# Altium PCB PCB1.PcbDoc (part 1 of 4)
Units mm, origin at the board's own origin, x right, y up, seen from the top; angles counter-clockwise.
Board outline 330.2 x 176.28 mm, 2 copper layers (Top Layer, Bottom Layer); 535 components, 753 nets, 2972 pads, 0 vias.
Unrouted connection lines stored in the file: 384.
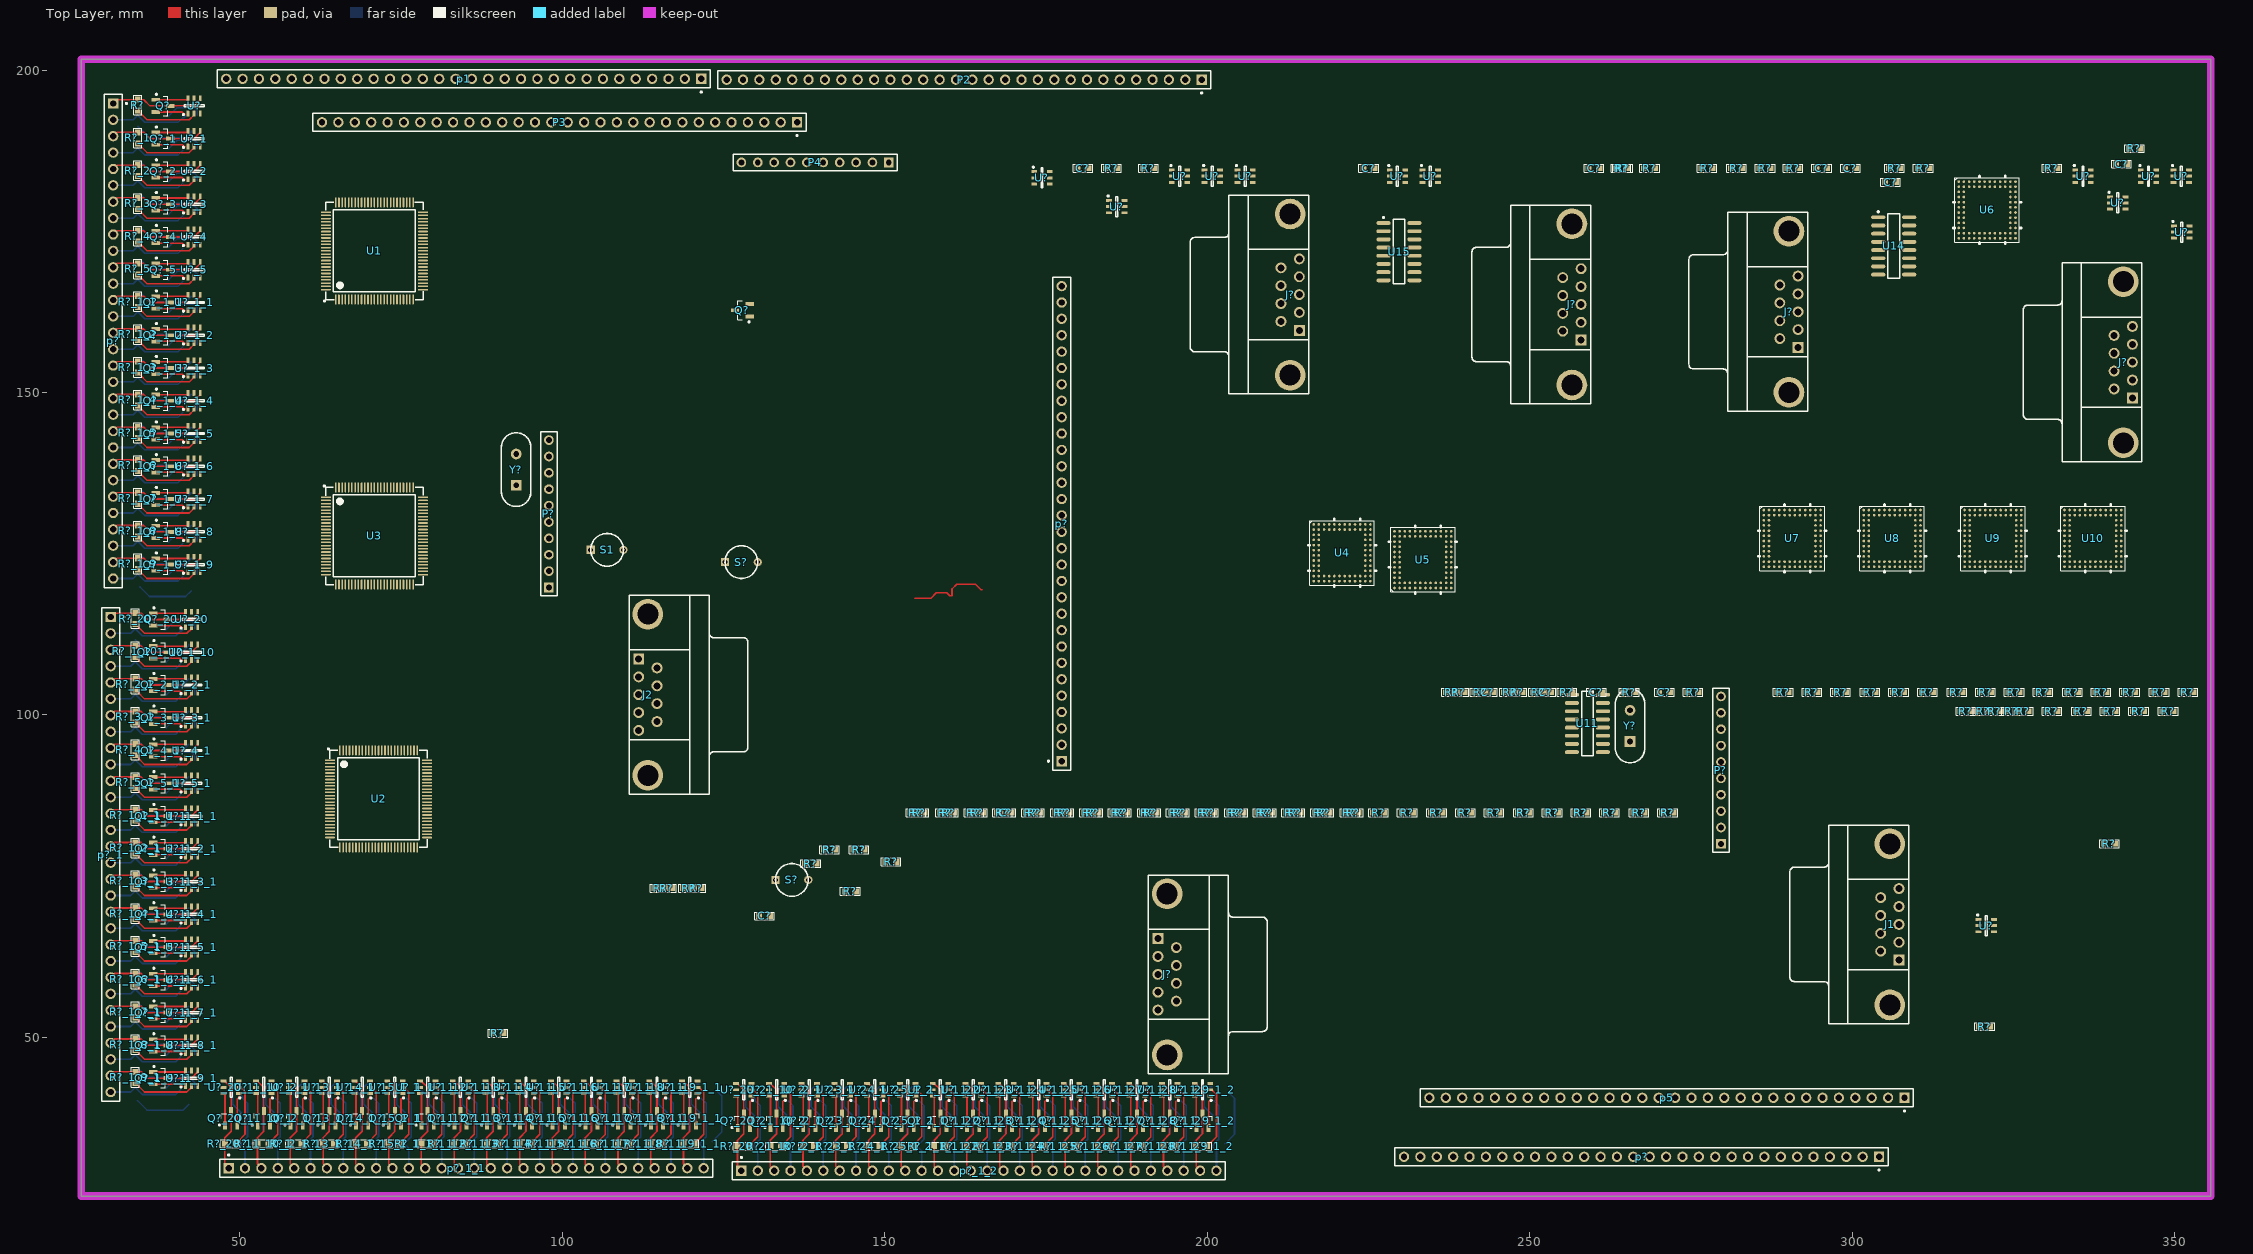
[diagram p0: Top Layer view]
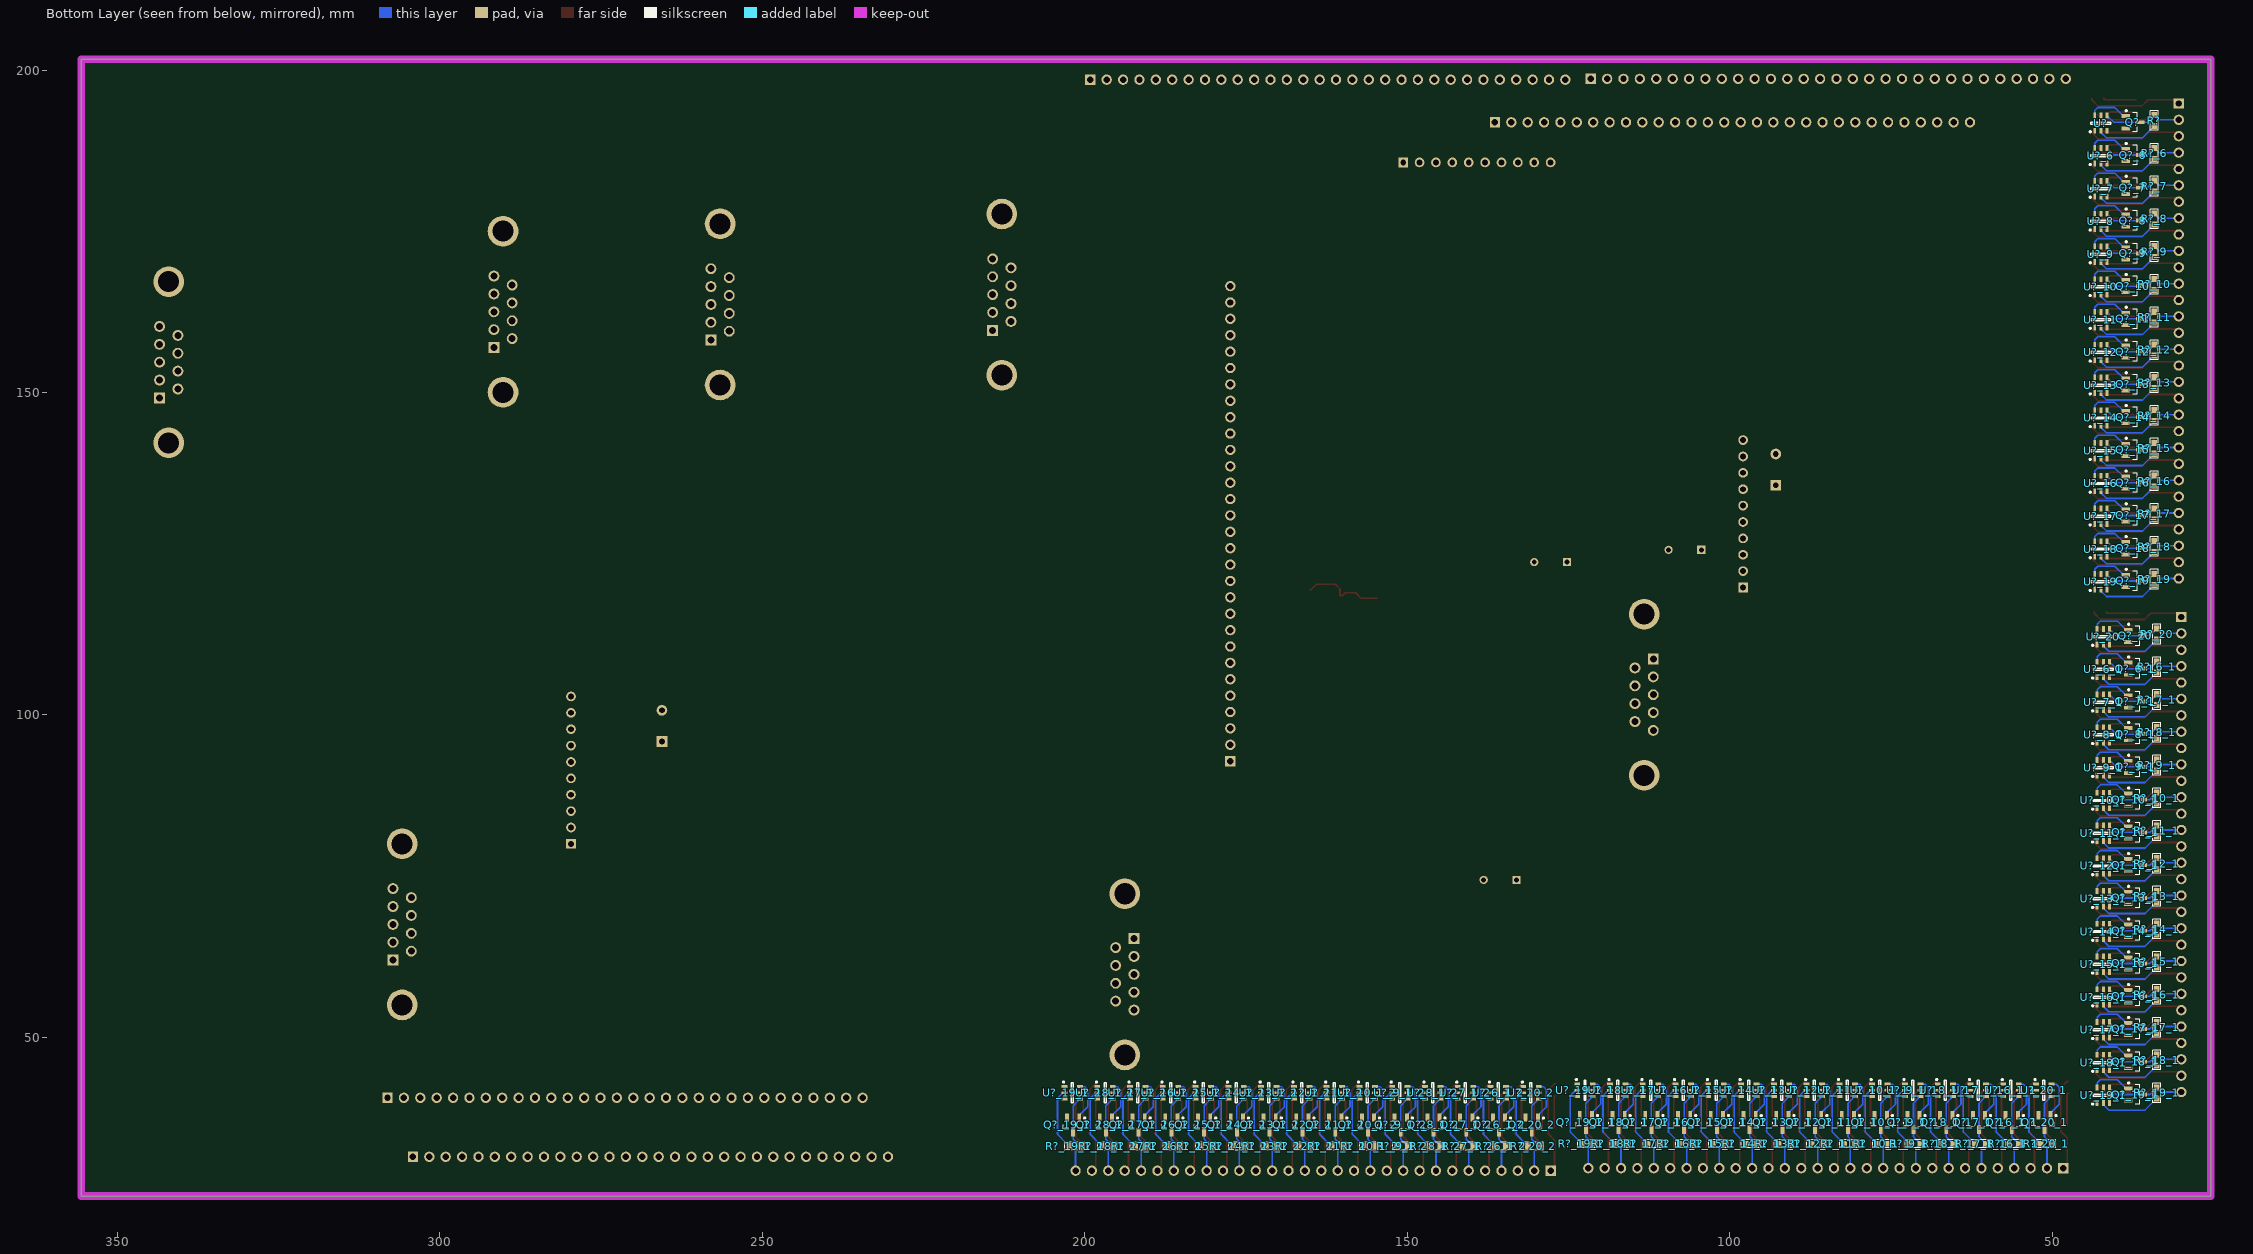
[diagram p1: Bottom Layer view, seen from below]

## Layer stack, top to bottom
Top Solder: solder mask 0.0102, Solder Resist, Dk 3.5
Top Layer: signal copper 0.0356
Dielectric 1: dielectric 0.32, FR-4, Dk 4.8
Bottom Layer: signal copper 0.0356
Bottom Solder: solder mask 0.0102, Solder Resist, Dk 3.5

## Board outline
25.4,25.4 25.4,201.676 355.6,201.676 355.6,25.4

## Design rules (kind name [scope] priority, off if disabled: settings)
Clearance [All] p1: gap=0.254 ignorepadtopadclearanceinfootprint=TRUE except(0: Arc-Hole Track-Hole SMDPad-Hole THPad-Hole Via-Hole Fill-Hole Poly-Hole Region-Hole Text-Hole; 0.076: Arc-Arc Arc-Track Arc-SMDPad Arc-THPad Arc-Text Track-Track Track-SMDPad Track-THPad Track-Text SMDPad-SMDPad SMDPad-THPad SMDPad-Text THPad-THPad THPad-Text Text-Text)
DiffPairsRouting [All] p1: maxlimit=0.254 minlimit=0.254 mostfreqgap=0.254 toplayer_minwidth=0.381 toplayer_maxwidth=0.381 toplayer_prefwidth=0.381 bottomlayer_minwidth=0.381 bottomlayer_maxwidth=0.381 bottomlayer_prefwidth=0.381 maxuncoupledlength=12.7
PolygonConnect [All] p1: connectstyle=Relief reliefconductorwidth=0.254 reliefentries=4 polygonreliefangle="90 Angle" airgapwidth=0.254
RoutingVias [All] p1: holewidth=0.711 width=1.27 viastyle="Through Hole" minholewidth=0.711 minwidth=1.27 maxholewidth=0.711 maxwidth=1.27
SolderMaskExpansion [All] p1: expansion=0.102 istentingtop=FALSE
Width [All] p1: maxlimit=0.254 minlimit=0.254 preferedwidth=0.254
29 further rules are at their usual default settings.

## Classes and differential pairs
differential pair class XAD0-AD0_N: XAD0-AD0
differential pair class D1_P: D2
differential pair class D1_N: D2
component class schematic1: J1 J2 p1 P2 P3 P4 p5 S1 S? U1 U2 U3 U4 U5 U6 U7 U8 U9 U10 U11 U14 U15 Y?
differential pair D4: +D4_P -D4_N
differential pair D3: +D3_P -D3_N
differential pair D2: +D2_P -D2_N
differential pair D1: +D1_P -D1_N

## Components (designator, comment, footprint, x,y, rotation, side; value= is the part's Value field where it differs from the comment)
C? "100nF" 0603-Cap 270.891,103.505 r0 top
C? "100nF" 0603-Cap 260.35,103.505 r0 top
C? "100nF" 0603-Cap 252.476,103.505 r0 top
C? "100nF" 0603-Cap 259.969,184.785 r0 top
C? "100nF" 0603-Cap 225.044,184.785 r0 top
C? "100nF" 0603-Cap 180.721,184.785 r0 top
C? "100nF" 0603-Cap 295.275,184.785 r0 top
C? "100nF" 0603-Cap 299.72,184.785 r0 top
C? "100nF" 0603-Cap 131.356,68.834 r0 top
C? "100nF" 0603-Cap 305.943,182.626 r0 top
C? "100nF" 0603-Cap 341.757,185.42 r0 top
C? "100nF" 0603-Cap 168.783,84.836 r180 top
C? "100nF" 0603-Cap 243.459,103.505 r0 top
J1 "D Connector 9" DSUB1.385-2H9 296.339,67.528 r90 top
J2 "D Connector 9" DSUB1.385-2H9 122.761,103.136 r270 top
J? "D Connector 9" DSUB1.385-2H9 332.534,154.698 r90 top
J? "D Connector 9" DSUB1.385-2H9 280.695,162.511 r90 top
J? "D Connector 9" DSUB1.385-2H9 247.04,163.654 r90 top
J? "D Connector 9" DSUB1.385-2H9 203.352,165.178 r90 top
J? "D Connector 9" DSUB1.385-2H9 203.279,59.781 r270 top
p1 "Header 30" HDR1X30 121.539,198.628 r180 top
P2 "Header 30" HDR1X30 199.136,198.501 r180 top
P3 "Header 30" HDR1X30 136.398,191.897 r180 top
P4 "Header 10" HDR1X10 150.622,185.674 r180 top
p5 "Header 30" HDR1X30 308.102,40.64 r180 top
p? "Header 30" HDR1X30 304.165,31.496 r180 top
P? "Header 10" HDR1X10 279.654,80.01 r90 top
P? "Header 10" HDR1X10 97.917,119.761 r90 top
p? "Header 30" HDR1X30 177.419,92.837 r90 top
p? "Header 30" HDR1X30 30.353,194.818 r270 top
p?_1 "Header 30" HDR1X30 29.972,115.189 r270 top (schematic designator p?)
p?_1_1 "Header 30" HDR1X30 48.26,29.718 r0 top (schematic designator p?)
p?_1_2 "Header 30" HDR1X30 127.762,29.337 r0 top (schematic designator p?)
Q? "MOSFET-N" SOT23 37.465,191.897 r180 bottom
Q? "MOSFET-N" SOT23 127.906,162.753 r180 top
Q? "MOSFET-N" SOT23 38.1,194.437 r0 top
Q?_1 "MOSFET-N" SOT23 38.1,189.357 r0 top (schematic designator Q?)
Q?_1_1 "MOSFET-N" SOT23 38.1,163.957 r0 top (schematic designator Q?)
Q?_1_1_1 "MOSFET-N" SOT23 37.719,84.328 r0 top (schematic designator Q?)
Q?_1_1_1_1 "MOSFET-N" SOT23 79.121,37.465 r90 top (schematic designator Q?)
Q?_1_1_1_2 "MOSFET-N" SOT23 158.623,37.084 r90 top (schematic designator Q?)
Q?_1_2 "MOSFET-N" SOT23 38.1,158.877 r0 top (schematic designator Q?)
Q?_1_2_1 "MOSFET-N" SOT23 37.719,79.248 r0 top (schematic designator Q?)
Q?_1_2_1_1 "MOSFET-N" SOT23 84.201,37.465 r90 top (schematic designator Q?)
Q?_1_2_1_2 "MOSFET-N" SOT23 163.703,37.084 r90 top (schematic designator Q?)
Q?_1_3 "MOSFET-N" SOT23 38.1,153.797 r0 top (schematic designator Q?)
Q?_1_3_1 "MOSFET-N" SOT23 37.719,74.168 r0 top (schematic designator Q?)
Q?_1_3_1_1 "MOSFET-N" SOT23 89.281,37.465 r90 top (schematic designator Q?)
Q?_1_3_1_2 "MOSFET-N" SOT23 168.783,37.084 r90 top (schematic designator Q?)
Q?_1_4 "MOSFET-N" SOT23 38.1,148.717 r0 top (schematic designator Q?)
Q?_1_4_1 "MOSFET-N" SOT23 37.719,69.088 r0 top (schematic designator Q?)
Q?_1_4_1_1 "MOSFET-N" SOT23 94.361,37.465 r90 top (schematic designator Q?)
Q?_1_4_1_2 "MOSFET-N" SOT23 173.863,37.084 r90 top (schematic designator Q?)
Q?_1_5 "MOSFET-N" SOT23 38.1,143.637 r0 top (schematic designator Q?)
Q?_1_5_1 "MOSFET-N" SOT23 37.719,64.008 r0 top (schematic designator Q?)
Q?_1_5_1_1 "MOSFET-N" SOT23 99.441,37.465 r90 top (schematic designator Q?)
Q?_1_5_1_2 "MOSFET-N" SOT23 178.943,37.084 r90 top (schematic designator Q?)
Q?_1_6 "MOSFET-N" SOT23 38.1,138.557 r0 top (schematic designator Q?)
Q?_1_6_1 "MOSFET-N" SOT23 37.719,58.928 r0 top (schematic designator Q?)
Q?_1_6_1_1 "MOSFET-N" SOT23 104.521,37.465 r90 top (schematic designator Q?)
Q?_1_6_1_2 "MOSFET-N" SOT23 184.023,37.084 r90 top (schematic designator Q?)
Q?_1_7 "MOSFET-N" SOT23 38.1,133.477 r0 top (schematic designator Q?)
Q?_1_7_1 "MOSFET-N" SOT23 37.719,53.848 r0 top (schematic designator Q?)
Q?_1_7_1_1 "MOSFET-N" SOT23 109.601,37.465 r90 top (schematic designator Q?)
Q?_1_7_1_2 "MOSFET-N" SOT23 189.103,37.084 r90 top (schematic designator Q?)
Q?_1_8 "MOSFET-N" SOT23 38.1,128.397 r0 top (schematic designator Q?)
Q?_1_8_1 "MOSFET-N" SOT23 37.719,48.768 r0 top (schematic designator Q?)
Q?_1_8_1_1 "MOSFET-N" SOT23 114.681,37.465 r90 top (schematic designator Q?)
Q?_1_8_1_2 "MOSFET-N" SOT23 194.183,37.084 r90 top (schematic designator Q?)
Q?_1_9 "MOSFET-N" SOT23 38.1,123.317 r0 top (schematic designator Q?)
Q?_1_9_1 "MOSFET-N" SOT23 37.719,43.688 r0 top (schematic designator Q?)
Q?_1_9_1_1 "MOSFET-N" SOT23 119.761,37.465 r90 top (schematic designator Q?)
Q?_1_9_1_2 "MOSFET-N" SOT23 199.263,37.084 r90 top (schematic designator Q?)
Q?_1_10 "MOSFET-N" SOT23 37.719,109.728 r0 top (schematic designator Q?)
Q?_1_10_1 "MOSFET-N" SOT23 53.721,37.465 r90 top (schematic designator Q?)
Q?_1_10_2 "MOSFET-N" SOT23 133.223,37.084 r90 top (schematic designator Q?)
Q?_2 "MOSFET-N" SOT23 38.1,184.277 r0 top (schematic designator Q?)
Q?_2_1 "MOSFET-N" SOT23 37.719,104.648 r0 top (schematic designator Q?)
Q?_2_1_1 "MOSFET-N" SOT23 58.801,37.465 r90 top (schematic designator Q?)
Q?_2_1_2 "MOSFET-N" SOT23 138.303,37.084 r90 top (schematic designator Q?)
Q?_3 "MOSFET-N" SOT23 38.1,179.197 r0 top (schematic designator Q?)
Q?_3_1 "MOSFET-N" SOT23 37.719,99.568 r0 top (schematic designator Q?)
Q?_3_1_1 "MOSFET-N" SOT23 63.881,37.465 r90 top (schematic designator Q?)
Q?_3_1_2 "MOSFET-N" SOT23 143.383,37.084 r90 top (schematic designator Q?)
Q?_4 "MOSFET-N" SOT23 38.1,174.117 r0 top (schematic designator Q?)
Q?_4_1 "MOSFET-N" SOT23 37.719,94.488 r0 top (schematic designator Q?)
Q?_4_1_1 "MOSFET-N" SOT23 68.961,37.465 r90 top (schematic designator Q?)
Q?_4_1_2 "MOSFET-N" SOT23 148.463,37.084 r90 top (schematic designator Q?)
Q?_5 "MOSFET-N" SOT23 38.1,169.037 r0 top (schematic designator Q?)
Q?_5_1 "MOSFET-N" SOT23 37.719,89.408 r0 top (schematic designator Q?)
Q?_5_1_1 "MOSFET-N" SOT23 74.041,37.465 r90 top (schematic designator Q?)
Q?_5_1_2 "MOSFET-N" SOT23 153.543,37.084 r90 top (schematic designator Q?)
Q?_6 "MOSFET-N" SOT23 37.465,186.817 r180 bottom (schematic designator Q?)
Q?_6_1 "MOSFET-N" SOT23 37.084,107.188 r180 bottom (schematic designator Q?)
Q?_6_1_1 "MOSFET-N" SOT23 56.261,36.83 r270 bottom (schematic designator Q?)
Q?_6_1_2 "MOSFET-N" SOT23 135.763,36.449 r270 bottom (schematic designator Q?)
Q?_7 "MOSFET-N" SOT23 37.465,181.737 r180 bottom (schematic designator Q?)
Q?_7_1 "MOSFET-N" SOT23 37.084,102.108 r180 bottom (schematic designator Q?)
Q?_7_1_1 "MOSFET-N" SOT23 61.341,36.83 r270 bottom (schematic designator Q?)
Q?_7_1_2 "MOSFET-N" SOT23 140.843,36.449 r270 bottom (schematic designator Q?)
Q?_8 "MOSFET-N" SOT23 37.465,176.657 r180 bottom (schematic designator Q?)
Q?_8_1 "MOSFET-N" SOT23 37.084,97.028 r180 bottom (schematic designator Q?)
Q?_8_1_1 "MOSFET-N" SOT23 66.421,36.83 r270 bottom (schematic designator Q?)
Q?_8_1_2 "MOSFET-N" SOT23 145.923,36.449 r270 bottom (schematic designator Q?)
Q?_9 "MOSFET-N" SOT23 37.465,171.577 r180 bottom (schematic designator Q?)
Q?_9_1 "MOSFET-N" SOT23 37.084,91.948 r180 bottom (schematic designator Q?)
Q?_9_1_1 "MOSFET-N" SOT23 71.501,36.83 r270 bottom (schematic designator Q?)
Q?_9_1_2 "MOSFET-N" SOT23 151.003,36.449 r270 bottom (schematic designator Q?)
Q?_10 "MOSFET-N" SOT23 37.465,166.497 r180 bottom (schematic designator Q?)
Q?_10_1 "MOSFET-N" SOT23 37.084,86.868 r180 bottom (schematic designator Q?)
Q?_10_1_1 "MOSFET-N" SOT23 76.581,36.83 r270 bottom (schematic designator Q?)
Q?_10_1_2 "MOSFET-N" SOT23 156.083,36.449 r270 bottom (schematic designator Q?)
Q?_11 "MOSFET-N" SOT23 37.465,161.417 r180 bottom (schematic designator Q?)
Q?_11_1 "MOSFET-N" SOT23 37.084,81.788 r180 bottom (schematic designator Q?)
Q?_11_1_1 "MOSFET-N" SOT23 81.661,36.83 r270 bottom (schematic designator Q?)
Q?_11_1_2 "MOSFET-N" SOT23 161.163,36.449 r270 bottom (schematic designator Q?)
Q?_12 "MOSFET-N" SOT23 37.465,156.337 r180 bottom (schematic designator Q?)
Q?_12_1 "MOSFET-N" SOT23 37.084,76.708 r180 bottom (schematic designator Q?)
Q?_12_1_1 "MOSFET-N" SOT23 86.741,36.83 r270 bottom (schematic designator Q?)
Q?_12_1_2 "MOSFET-N" SOT23 166.243,36.449 r270 bottom (schematic designator Q?)
Q?_13 "MOSFET-N" SOT23 37.465,151.257 r180 bottom (schematic designator Q?)
Q?_13_1 "MOSFET-N" SOT23 37.084,71.628 r180 bottom (schematic designator Q?)
Q?_13_1_1 "MOSFET-N" SOT23 91.821,36.83 r270 bottom (schematic designator Q?)
Q?_13_1_2 "MOSFET-N" SOT23 171.323,36.449 r270 bottom (schematic designator Q?)
Q?_14 "MOSFET-N" SOT23 37.465,146.177 r180 bottom (schematic designator Q?)
Q?_14_1 "MOSFET-N" SOT23 37.084,66.548 r180 bottom (schematic designator Q?)
Q?_14_1_1 "MOSFET-N" SOT23 96.901,36.83 r270 bottom (schematic designator Q?)
Q?_14_1_2 "MOSFET-N" SOT23 176.403,36.449 r270 bottom (schematic designator Q?)
Q?_15 "MOSFET-N" SOT23 37.465,141.097 r180 bottom (schematic designator Q?)
Q?_15_1 "MOSFET-N" SOT23 37.084,61.468 r180 bottom (schematic designator Q?)
Q?_15_1_1 "MOSFET-N" SOT23 101.981,36.83 r270 bottom (schematic designator Q?)
Q?_15_1_2 "MOSFET-N" SOT23 181.483,36.449 r270 bottom (schematic designator Q?)
Q?_16 "MOSFET-N" SOT23 37.465,136.017 r180 bottom (schematic designator Q?)
Q?_16_1 "MOSFET-N" SOT23 37.084,56.388 r180 bottom (schematic designator Q?)
Q?_16_1_1 "MOSFET-N" SOT23 107.061,36.83 r270 bottom (schematic designator Q?)
Q?_16_1_2 "MOSFET-N" SOT23 186.563,36.449 r270 bottom (schematic designator Q?)
Q?_17 "MOSFET-N" SOT23 37.465,130.937 r180 bottom (schematic designator Q?)
Q?_17_1 "MOSFET-N" SOT23 37.084,51.308 r180 bottom (schematic designator Q?)
Q?_17_1_1 "MOSFET-N" SOT23 112.141,36.83 r270 bottom (schematic designator Q?)
Q?_17_1_2 "MOSFET-N" SOT23 191.643,36.449 r270 bottom (schematic designator Q?)
Q?_18 "MOSFET-N" SOT23 37.465,125.857 r180 bottom (schematic designator Q?)
Q?_18_1 "MOSFET-N" SOT23 37.084,46.228 r180 bottom (schematic designator Q?)
Q?_18_1_1 "MOSFET-N" SOT23 117.221,36.83 r270 bottom (schematic designator Q?)
Q?_18_1_2 "MOSFET-N" SOT23 196.723,36.449 r270 bottom (schematic designator Q?)
Q?_19 "MOSFET-N" SOT23 37.465,120.777 r180 bottom (schematic designator Q?)
Q?_19_1 "MOSFET-N" SOT23 37.084,41.148 r180 bottom (schematic designator Q?)
Q?_19_1_1 "MOSFET-N" SOT23 122.301,36.83 r270 bottom (schematic designator Q?)
Q?_19_1_2 "MOSFET-N" SOT23 201.803,36.449 r270 bottom (schematic designator Q?)
Q?_20 "MOSFET-N" SOT23 37.719,114.808 r0 top (schematic designator Q?)
Q?_20 "MOSFET-N" SOT23 37.084,112.268 r180 bottom (schematic designator Q?)
Q?_20_1 "MOSFET-N" SOT23 51.181,36.83 r270 bottom (schematic designator Q?)
Q?_20_1 "MOSFET-N" SOT23 48.641,37.465 r90 top (schematic designator Q?)
Q?_20_2 "MOSFET-N" SOT23 130.683,36.449 r270 bottom (schematic designator Q?)
Q?_20_2 "MOSFET-N" SOT23 128.143,37.084 r90 top (schematic designator Q?)
R? "10K" 0603 34.163,192.151 r90 bottom
R? "10K" 0603 320.548,51.689 r0 top
R? "10K" 0603 144.653,72.644 r0 top
R? "10K" 0603 150.965,77.216 r0 top
R? "10K" 0603 249.047,84.836 r180 top
R? "10K" 0603 339.89,80.01 r0 top
R? "10K" 0603 330.962,100.584 r0 top
R? "10K" 0603 339.979,100.584 r0 top
R? "10K" 0603 334.137,103.505 r0 top
R? "10K" 0603 154.813,84.836 r180 top
R? "10K" 0603 199.644,84.836 r180 top
R? "10K" 0603 242.316,103.505 r0 top
R? "10K" 0603 240.03,84.836 r180 top
R? "10K" 0603 335.534,100.584 r0 top
R? "10K" 0603 266.954,84.836 r180 top
R? "10K" 0603 325.12,103.505 r0 top
R? "10K" 0603 204.216,84.836 r180 top
R? "10K" 0603 262.382,84.836 r180 top
R? "10K" 0603 141.44,79.121 r0 top
R? "10K" 0603 177.292,84.836 r180 top
R? "10K" 0603 244.475,84.836 r180 top
R? "10K" 0603 172.72,84.836 r180 top
R? "10K" 0603 316.23,103.505 r0 top
R? "10K" 0603 298.196,103.505 r0 top
R? "10K" 0603 268.605,184.785 r0 top
R? "10K" 0603 146.012,79.121 r0 top
R? "10K" 0603 168.275,84.836 r180 top
R? "10K" 0603 311.023,184.785 r0 top
R? "10K" 0603 277.495,184.785 r0 top
R? "10K" 0603 119.596,73.152 r0 top
R? "10K" 0603 311.658,103.505 r0 top
R? "10K" 0603 163.83,84.836 r180 top
R? "10K" 0603 90.005,50.673 r0 top
R? "10K" 0603 237.871,103.505 r0 top
R? "10K" 0603 34.163,194.564 r90 top
R? "10K" 0603 347.599,103.505 r0 top
R? "10K" 0603 317.627,100.584 r0 top
R? "10K" 0603 264.16,184.785 r0 top
R? "10K" 0603 226.568,84.836 r180 top
R? "10K" 0603 326.517,100.584 r0 top
R? "10K" 0603 344.424,100.584 r0 top
R? "10K" 0603 302.768,103.505 r0 top
R? "10K" 0603 329.565,103.505 r0 top